# Altium PCB LOGI-BONE.PcbDoc (part 1 of 4) (continued)
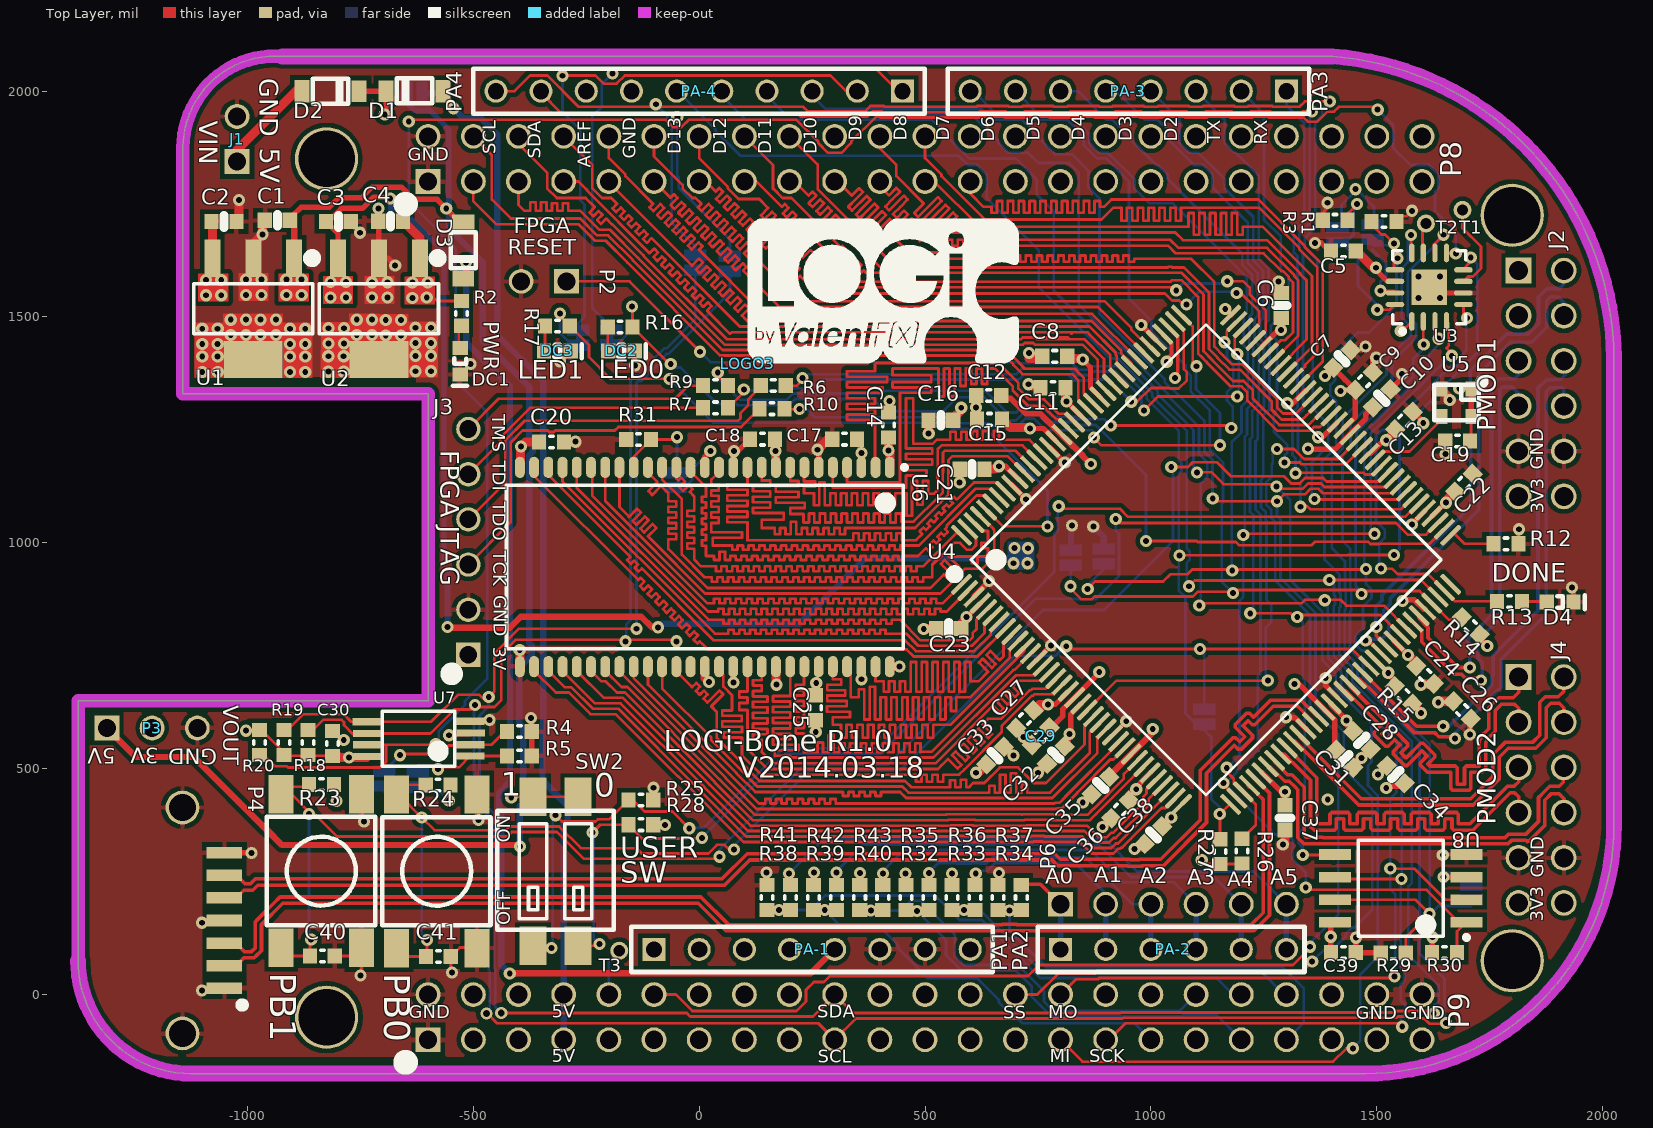
[diagram p0: Top Layer view]
## Footprints (in the part's own frame and the unit in brackets; to place one, negate y for a bottom-side part, rotate by r counter-clockwise, add the part's x,y. Pads: shape width x height; smd on the part's side, far side on the other; paste and mask are expansions set on the pad)
"ARDUINO DUE P1" [mil]
  rect 51x51 hole 36: A1(0,0)
  round 51 hole 36: A2(0,-100) A3(0,-200) A4(0,-300) A5(0,-400) A6(0,-500) A7(0,-600) A8(0,-700)
  silkscreen extent -50,-750 50,50, body extent -50,-1451 1950,400, height 327
"ARDUINO DUE P2" [mil]
  rect 51x51 hole 36: B1(0,0)
  round 51 hole 36: B2(0,-100) B3(0,-200) B4(0,-300) B5(0,-400) B6(0,-500)
  silkscreen extent -50,-540 50,50
"ARDUINO DUE P3" [mil]
  rect 51x51 hole 36: C1(0,0)
  round 51 hole 36: C2(0,100) C3(0,200) C4(0,300) C5(0,400) C6(0,500) C7(0,600) C8(0,700)
  silkscreen extent -50,-50 50,750
"ARDUINO DUE P4" [mil]
  rect 51x51 hole 36: D1(0,0)
  round 51 hole 36: D2(0,100) D3(0,200) D4(0,300) D5(0,400) D6(0,500) D7(0,600) D8(0,700) D9(0,800) D10(0,900)
  silkscreen extent -50,-50 50,950
"ASDMB - OSC" [mil] "oscillator ASDMB - osc footprint"
  rect 26x33 smd: 1(0,0) 2(64.96,0) 3(64.96,61.02) 4(0,61.02)
  silkscreen extent -26,-18 81,69, body extent -17,-9 81,69, height 30
Beaglebone-SSQ [mil] "Beaglebone-CAP-Plate"
  rect 55x55 hole 40: 1(0,0)
  round 55 hole 40: 2(0,100) 3(100,0) 4(100,100) 5(200,0) 6(200,100) 7(300,0) 8(300,100) 9(400,0) 10(400,100) 11(500,0) 12(500,100) 13(600,0) 14(600,100) 15(700,0) 16(700,100) 17(800,0) 18(800,100) 19(900,0) 20(900,100) 21(1000,0) 22(1000,100) 23(1100,0) 24(1100,100) 25(1200,0) 26(1200,100) 27(1300,0) 28(1300,100) 29(1400,0) 30(1400,100) 31(1500,0) 32(1500,100) 33(1600,0) 34(1600,100) 35(1700,0) 36(1700,100) 37(1800,0) 38(1800,100) 39(1900,0) 40(1900,100) 41(2000,0) 42(2000,100) 43(2100,0) 44(2100,100) 45(2200,0) 46(2200,100)
  silkscreen extent -52,-52 -48,-48, body extent -61,-46 2259,149, height 335
C0603 [mm] "0603 Generic"
  rect 0.8x0.85 smd: 1(-0.7,0) 2(0.7,0)
  silkscreen extent -0.1,-0.33 0.1,0.33, body extent -0.8,-0.42 0.82,0.4, height 0.46
"C0603 - MARKED" [mm] "0603 Generic"
  rect 0.8x0.85 smd: 1(-0.7,0) 2(0.7,0)
  silkscreen extent 0,-0.33 0,0.33, body extent -0.8,-0.42 0.82,0.4, height 0.46
"DIPSW - 219-2MST" [mil]
  rect 60x85 smd: A1(0,0) A2(100,0) B1(0,330) B2(100,330)
  silkscreen extent -79,35 179,299, body extent -68,-29 169,357, height 146
"EXP - PCA9534BS,118 - QFN65P400X400X100-16M" [mm] "QFN, 16-Leads, Body 4.1x4.1mm (max), Pitch 0.65mm, IPC Low Density"
  oval 1.05x0.3 smd: 1(-1.925,0.975) 2(-1.925,0.325) 3(-1.925,-0.325) 4(-1.925,-0.975) 9(1.925,-0.975) 10(1.925,-0.325) 11(1.925,0.325) 12(1.925,0.975)
  oval 0.3x1.05 smd: 5(-0.975,-1.925) 6(-0.325,-1.925) 7(0.325,-1.925) 8(0.975,-1.925) 13(0.975,1.925) 14(0.325,1.925) 15(-0.325,1.925) 16(-0.975,1.925)
  rect 2x2 smd: 6(0,0)
  silkscreen extent -2.61,-2.05 2.05,2.05, body extent -2.05,-2.05 2.05,2.05, height 1
FSM4JSMA [mil]
  rect 55x85 smd: A(-89,170) A(-89,-170) B(89,170) B(89,-170)
  silkscreen extent -119,-120 121,120, body extent -118,-198 118,196, height 200
"HEADER_2_40_100 THRU SIP" [mil]
  rect 55x55 hole 40: 1(0,0)
  round 55 hole 40: 2(100,0)
"HEADER_3_40_100 THRU SIP" [mil] "Sata Data header 67490-3220 - verified pin nums on datasheet 1=gnd 2=tx+"
  rect 55x55 hole 40: 1(0,0)
  round 55 hole 40: 2(100,0) 3(200,0)
"HEADER_6_40_100 THRU SIP" [mil]
  rect 55x55 hole 40: 1(0,0)
  round 55 hole 40: 2(100,0) 3(200,0) 4(300,0) 5(400,0) 6(500,0)
"JTAG - DIGILENT HS1 RA" [mil]
  rect 54x54 hole 39: 1(0,0)
  round 54 hole 39: 2(100,0) 3(200,0) 4(300,0) 5(400,0) 6(500,0)
  silkscreen extent -52,27 -32,47, body extent -50,-10 550,403, height 133
"LED_0603 - RED" [mm] "LED_0603"
  rect 0.8x0.85 smd: A(-0.75,0) C(0.75,0)
  silkscreen extent -0.18,-0.41 1.37,0.38, body extent -0.8,-0.4 0.8,0.4, height 0.75
LOGI-600-SILK [mil]
  silkscreen extent 0,2 600,321
LOGI-750-SILK-NB [mil]
  silkscreen extent 0,14 750,413
"PMOD HEADER - SSQ-106-02-G-D-RA" [mil]
  rect 57x57 hole 42: 1(0,0)
  round 57 hole 42: 2(100,0) 3(200,0) 4(300,0) 5(400,0) 6(500,0) 7(0,100) 8(100,100) 9(200,100) 10(300,100) 11(400,100) 12(500,100)
  body extent -59,-14 561,494, height 200
R0603 [mm] "0603 Generic"
  rect 0.8x0.85 smd: 1(-0.7,0) 2(0.7,0)
  silkscreen extent -0.1,-0.33 0.1,0.33, body extent -0.81,-0.41 0.81,0.41, height 0.46
"SATA - 67490-3220" [mm] "Sata Data header 67490-3220 - verified pin nums on datasheet 1=gnd 2=tx+"
  round 1.9 hole 1.5: 1(-10.16,-2.36) 1(2.54,-2.36)
  rect 0.65x2 smd: 1(0,0) 2(-1.27,0) 3(-2.54,0) 4(-3.81,0) 5(-5.08,0) 6(-6.35,0) 7(-7.62,0)
  silkscreen extent 0.81,0.86 1.07,1.12, body extent -12.9,-10.66 4.57,0.84, height 4
SOD-123 [mm] "SOD-123"
  rect 1.2x0.85 smd: 1(0,1.6)
  rect 1.27x0.85 smd: 2(0,-1.6)
  silkscreen extent -0.69,-1 0.71,1, body extent -0.8,-1.85 0.8,1.85, height 1.28
SOIC127P830X200-8L [mm] "SOIC, 8-Leads, Body 6.1x6.2mm (max), Pitch 1.27mm, IPC High Density"
  rect 1.8x0.6 smd: 1(-3.7,1.905) 2(-3.7,0.635) 3(-3.7,-0.635) 4(-3.7,-1.905) 5(3.7,-1.905) 6(3.7,-0.635) 7(3.7,0.635) 8(3.7,1.905)
  silkscreen extent -3.83,-2.72 2.4,2.88, body extent -4.2,-2.7 4.2,2.68, height 2.3
SOLDER_JUMPER#1 [mil]
  round 50 smd: 1(0,0) 2(58,0)
  Top Layer region: 32.93,24.98 57.93,24.98 57.93,-25.02 32.93,-25.02
  Top Layer region: -0.07,24.98 24.93,24.98 24.93,-25.02 -0.07,-25.02
SOLDER_JUMPER#2 [mil]
  round 50 smd: 1(0,0) 2(-58,0)
  Top Layer region: -32.91,-25.03 -57.91,-25.03 -57.91,24.97 -32.91,24.97
  Top Layer region: 0.09,-25.03 -24.91,-25.03 -24.91,24.97 0.09,24.97
SOLDER_JUMPER-NC [mil]
  round 50 smd: 1(0,0) 2(-58,0)
  Top Layer region: -32.91,-24.99 -57.91,-24.99 -57.91,25.01 -32.91,25.01
  Top Layer region: 0.09,-24.99 -24.91,-24.99 -24.91,25.01 0.09,25.01
  Top Layer lines w10: 0,0 -50,0
SOT223 [mm] "SOT223, 4-Leads, Body 6.7x7.3mm (max), Pitch 2.30mm, IPC High Density"
  rect 2.1x0.9 smd: 1(-2.85,2.3) 2(-2.85,0) 3(-2.85,-2.3)
  rect 2.1x3.3 smd: 4(2.85,0)
  silkscreen extent -2.97,-3.35 1.4,3.43, body extent -3.54,-3.35 3.76,3.35, height 1.75
"Tp 25-40" [mil]
  round 40 hole 25: 1(0,0)
TQ144_L [mm] "Thin QFP, 144-Leads, Body 20x20mm, Pitch 0.5mm, IPC High Density"
  rrect50% 1.5x0.25 smd: 1(-10.7,8.75) 2(-10.7,8.25) 3(-10.7,7.75) 4(-10.7,7.25) 5(-10.7,6.75) 6(-10.7,6.25) 7(-10.7,5.75) 8(-10.7,5.25) 9(-10.7,4.75) 10(-10.7,4.25) 11(-10.7,3.75) 12(-10.7,3.25) 13(-10.7,2.75) 14(-10.7,2.25) 15(-10.7,1.75) 16(-10.7,1.25) 17(-10.7,0.75) 18(-10.7,0.25) 19(-10.7,-0.25) 20(-10.7,-0.75) 21(-10.7,-1.25) 22(-10.7,-1.75) 23(-10.7,-2.25) 24(-10.7,-2.75) 25(-10.7,-3.25) 26(-10.7,-3.75) 27(-10.7,-4.25) 28(-10.7,-4.75) 29(-10.7,-5.25) 30(-10.7,-5.75) 31(-10.7,-6.25) 32(-10.7,-6.75) 33(-10.7,-7.25) 34(-10.7,-7.75) 35(-10.7,-8.25) 36(-10.7,-8.75) 73(10.7,-8.75) 74(10.7,-8.25) 75(10.7,-7.75) 76(10.7,-7.25) 77(10.7,-6.75) 78(10.7,-6.25) 79(10.7,-5.75) 80(10.7,-5.25) 81(10.7,-4.75) 82(10.7,-4.25) 83(10.7,-3.75) 84(10.7,-3.25) 85(10.7,-2.75) 86(10.7,-2.25) 87(10.7,-1.75) 88(10.7,-1.25) 89(10.7,-0.75) 90(10.7,-0.25) 91(10.7,0.25) 92(10.7,0.75) 93(10.7,1.25) 94(10.7,1.75) 95(10.7,2.25) 96(10.7,2.75) 97(10.7,3.25) 98(10.7,3.75) 99(10.7,4.25) 100(10.7,4.75) 101(10.7,5.25) 102(10.7,5.75) 103(10.7,6.25) 104(10.7,6.75) 105(10.7,7.25) 106(10.7,7.75) 107(10.7,8.25) 108(10.7,8.75)
  rrect50% 0.25x1.5 smd: 37(-8.75,-10.7) 38(-8.25,-10.7) 39(-7.75,-10.7) 40(-7.25,-10.7) 41(-6.75,-10.7) 42(-6.25,-10.7) 43(-5.75,-10.7) 44(-5.25,-10.7) 45(-4.75,-10.7) 46(-4.25,-10.7) 47(-3.75,-10.7) 48(-3.25,-10.7) 49(-2.75,-10.7) 50(-2.25,-10.7) 51(-1.75,-10.7) 52(-1.25,-10.7) 53(-0.75,-10.7) 54(-0.25,-10.7) 55(0.25,-10.7) 56(0.75,-10.7) 57(1.25,-10.7) 58(1.75,-10.7) 59(2.25,-10.7) 60(2.75,-10.7) 61(3.25,-10.7) 62(3.75,-10.7) 63(4.25,-10.7) 64(4.75,-10.7) 65(5.25,-10.7) 66(5.75,-10.7) 67(6.25,-10.7) 68(6.75,-10.7) 69(7.25,-10.7) 70(7.75,-10.7) 71(8.25,-10.7) 72(8.75,-10.7) 109(8.75,10.7) 110(8.25,10.7) 111(7.75,10.7) 112(7.25,10.7) 113(6.75,10.7) 114(6.25,10.7) 115(5.75,10.7) 116(5.25,10.7) 117(4.75,10.7) 118(4.25,10.7) 119(3.75,10.7) 120(3.25,10.7) 121(2.75,10.7) 122(2.25,10.7) 123(1.75,10.7) 124(1.25,10.7) 125(0.75,10.7) 126(0.25,10.7) 127(-0.25,10.7) 128(-0.75,10.7) 129(-1.25,10.7) 130(-1.75,10.7) 131(-2.25,10.7) 132(-2.75,10.7) 133(-3.25,10.7) 134(-3.75,10.7) 135(-4.25,10.7) 136(-4.75,10.7) 137(-5.25,10.7) 138(-5.75,10.7) 139(-6.25,10.7) 140(-6.75,10.7) 141(-7.25,10.7) 142(-7.75,10.7) 143(-8.25,10.7) 144(-8.75,10.7)
  silkscreen extent -10.7,-9.35 9.35,9.55, body extent -11.01,-11.01 11.02,11.02, height 1.6
TSOP2-54_L [mm] "SOP, 54-Leads, Body 22.2x10.16mm, Pitch 0.8mm, IPC High Density"
  oval 1.2x0.55 smd: 1(-5.6,10.4) 2(-5.6,9.6) 3(-5.6,8.8) 4(-5.6,8) 5(-5.6,7.2) 6(-5.6,6.4) 7(-5.6,5.6) 8(-5.6,4.8) 9(-5.6,4) 10(-5.6,3.2) 11(-5.6,2.4) 12(-5.6,1.6) 13(-5.6,0.8) 14(-5.6,0) 15(-5.6,-0.8) 16(-5.6,-1.6) 17(-5.6,-2.4) 18(-5.6,-3.2) 19(-5.6,-4) 20(-5.6,-4.8) 21(-5.6,-5.6) 22(-5.6,-6.4) 23(-5.6,-7.2) 24(-5.6,-8) 25(-5.6,-8.8) 26(-5.6,-9.6) 27(-5.6,-10.4) 28(5.6,-10.4) 29(5.6,-9.6) 30(5.6,-8.8) 31(5.6,-8) 32(5.6,-7.2) 33(5.6,-6.4) 34(5.6,-5.6) 35(5.6,-4.8) 36(5.6,-4) 37(5.6,-3.2) 38(5.6,-2.4) 39(5.6,-1.6) 40(5.6,-0.8) 41(5.6,0) 42(5.6,0.8) 43(5.6,1.6) 44(5.6,2.4) 45(5.6,3.2) 46(5.6,4) 47(5.6,4.8) 48(5.6,5.6) 49(5.6,6.4) 50(5.6,7.2) 51(5.6,8) 52(5.6,8.8) 53(5.6,9.6) 54(5.6,10.4)
  silkscreen extent -5.72,-11.15 4.6,11.35, body extent -5.74,-11.16 6.02,11.06, height 1.3
"TSSOP 8" [mil]
  rect 62.99x15.75 smd: 1(-114,38) 2(-114,13) 3(-115,-13) 4(-114,-39) 5(115,-38) 6(114,-12) 7(114,13) 8(113,39)
  silkscreen extent -80,-61 81,61, body extent -127,-59 129,59, height 45
VALENTFX_750-SolderMask [mil]

## Part data
C1 C2 C3 C4 C6 C7 C10 C16 C21 C23 C28 C31 C32 C33 C34 C35 C37 C38: library part "C0603 - GRM188R60J475KE19D", "4.7uF 6.3volts X5R 10% (MLCC) - SMD/SMT 0603"
C5 C14 C17 C18 C19 C20 C25 C30 C39 C40 C41: library part "C0603 - CL10F104ZA8NNNC", "CAP CER 0.1UF 25V Y5V 0603"
C8 C9 C11 C12 C13 C15 C22 C24 C26 C27 C29 C36: library part "C0603 - GCM188R71E474KA64D", ".47uF 25VDC X7R 10% SMD 0603 Paper T/R CERAMIC"
D1 D2 D3: "DIODE SCHOTTKY 25V 1A SOD123"
D4 DC1 DC2 DC3: library part "LED0603 - 598-8010-107F", "LED ALINGAP RED CLEAR 0603 SMD"
J1: library part Header2, "Header 2 pin"
J2 J4: library part "P-MOD - SSQ-106-02-G-D-RA", "SAMTEC - SSQ-106-02-G-D-RA-005 - 2MM SOCKET STRIPS"
J3: library part "JTAG - Digilent HS1", "DIGILENT - 410-205 - PROGRAMMING CABLE, JTAG HS1, USB2"
JP1 JP2 JP3 JP4 JP5 JP6 JP7 JP8 JP9 JP10 JP11 JP12 JP13 JP14: "Solder/Configuration Jumper"
P2: "Header 2 pin"
P3: "Header  pin"
P4: "SATA Data - 67490-1220"
P6: "Header 6 pin"
P8: library part Beagle_Bone_Black_P8-SSQ, "Beagle_Bone_Black_P8"
P9: library part Beagle_Bone_Black_P9-SSQ, "Beagle_Bone_Black_P9"
PA-1 PA-3: "CONN HEADER FEMALE 8POS .1\" GOLD"
PA-2: "CONN HEADER FEMALE 6POS .1\" GOLD"
PA-4: "CONN HEADER FMALE 10POS .1\" GOLD"
PB0 PB1: library part FSM4JSMATR, "SWITCH TACTILE SPST-NO 0.05A 12V"
R1 R3 R4 R5 R12 R14 R15 R18 R19 R20 R23 R24 R25 R26 R27 R28 R29 R30 R31 R32 R33 R34 R35 R36 R37 R38 R39 R40 R41 R42 R43: library part "R0603 - CRCW060310K0FKEA", "10k Thick Film Resistors - SMD 1/10watt 10Kohms 1%"
R2 R6 R7 R9 R10 R13 R16 R17: library part "R0603 - ERJ-3GEYJ331V", "Thick Film Resistors - SMD 0603 330ohms 5% Tol"
SW2: library part "DIPSW - 219-2MST", "DIP Switches / SIP Switches SPST 2 switch sections"
T1 T2 T3: library part "Test Point 2", "Test Point Smaller Symbol"
U1: library part "REG - MCP1826S-3302E/DB", "LDO REG 1A 3.3V SOT223-3"
U2: "IC LDO REG 1A 1.2V SOT223-3"
U3: library part "EXP - PCA9534BS,118", "I/O Expanders, Repeaters & Hubs 8BIT I2C/SMBUS I/O"
U4: library part "FPGA - XC6SLX9-2TQG144C", "IC FPAG SPARTAN 6 9K 144TQFP"
U5: "OSC MEMS 50.000 MHZ SMD"
U6: "256Mb Synchronous High-Speed CMOS DRAM, 16Mb x 16Bit x 4 Banks, 54-Pin TSOP Pb-free, Commercial"
U7: library part "EEPROM - CAT24C256YI-G", "IC EEPROM 256KBIT 400KHZ 8TSSOP"
U8: library part M25PE16-VMW6TG, "IC FLASH 16MBIT 75MHZ 8SOIC"

## Free pads (board coordinates)
  round 140 hole 125: x(-825,-50) x(-825,1850) x(1800,75) x(1800,1725)

## Via types
v1: diameter 27, hole 13, Top Layer to Bottom Layer, tented both sides, 194 vias
v2: diameter 27, hole 13, Top Layer to Bottom Layer, 158 vias
v3: diameter 25.98, hole 12.99, Top Layer to Bottom Layer, tented both sides, 4 vias
v4: diameter 27, hole 15, Top Layer to Bottom Layer, tented both sides, 2 vias

## Nets (pads, with @x,y where several pads share a name; then routed paths per layer and width w, separated by ;. In a path a pad name is that pad's centre, name@x,y a point inside that pad or via, vN(x,y) a via of type N, cw(c..) or ccw(c..) an arc to the next point about the centre after c; other vN are vias at no path point)
1V2: C3.1 C10.1 C12.1 C29.1 C31.1 C35.1 U2.3 U4.19 U4.28 U4.52 U4.89 U4.128 | length 3738.4
  Top Layer w12: U2.3@-799.55,1621 -799.55,1684.78 C3.1@-826.34,1711.56 -820.67,1711.56 -791.94,1740.29 -745.67,1740.29 -720.56,1765.4 -687.4,1765.4 v2(-684,1762) ; C12.1@665.91,1320 689.91,1320 723.45,1286.46 ; 688.79,1320 722.89,1285.9 756.1,1285.9 812,1230 809.82,1230 761.32,1278.5 ; C29.1@775,586 804.69,615.69 804.69,631.19 886.5,713 v1@887,713 ; v2(1317.9,687.48) 1327.58,687.48 U4.52@1385.2,629.87 1406.62,608.45 1406.62,544.38 C31.1@1407.51,543.49 ; v1@1342.7,1206.3 v1@1346.2,1209.8 ; v1@1349.8,1210.13 1348.46,1211.47 1347.88,1211.47 v1@1346.2,1209.8 ; U4.89@1440.11,1240.3 1440.43,1240.62 1440.71,1240.62 1475.63,1275.55 1475.63,1284.9 C10.1@1491.41,1300.67 ; U4.89@1440.88,1239.54 1439.63,1239.54 1407.09,1207 1349.33,1207 v1(1348,1208.33) 1347.67,1208.33 v1@1346.2,1209.8
  Top Layer w14: v2(-557,814) -555,812 -419.48,812 -394.98,836.5 -128.02,836.5 -104.52,813 v2(-91,813) ; U4.128@812,1230 849.45,1193.45 849.45,1191.97 v1(867,1174.42) ; C35.1@905,480 905,480.95 1005.63,581.58 1005.63,586.37 v1(1004,588)
  Bottom Layer w12: v2@-682.5,1761.5 -682.5,1730.9 -667.56,1715.96 -636.96,1715.96 -565,1644 -565,941
  Bottom Layer w14: -565,941 -557,933 v2(-557,814) ; v2(-91,813) -83,821 222,821 367.25,966.25 709.87,966.25
  Bottom Layer w20: 709.87,966.25 714.62,971 ; v1@727,987 v1(728,988) v1@727.22,988.78
  other v1: 885.63,713.81 696,955 727,955 698,988.78 -816,1543.27 -782,1543.27 -816,1577.27 -782,1577.27
3V3: C2.1 C4.1 C5.1 C6.1 C7.1 C8.1 C9.1 C11.1 C13.1 C14.1 C15.1 C16.1 C17.1 C18.1 C19.1 C20.1 C21.1 C22.1 C23.1 C24.1 C25.1 C26.1 C27.1 C28.1 C30.1 C32.1 C33.1 C34.1 C36.1 C37.1 C38.1 C39.1 J2.6 J2.12 J3.1 J4.6 J4.12 JP1.2 JP2.2 JP6.1 JP7.1 JP13.2 JP14.2 P3.2 PA-1.A2 PA-1.A4 R2.1 R14.1 R15.1 R18.2 R19.2 R20.2 R23.1 R24.1 R26.2 R27.2 R30.2 SW2.B1 SW2.B2 U1.3 U2.1 U3.1 U3.14 U4.4 U4.18 U4.20 U4.31 U4.36 U4.42 U4.53 U4.63 U4.76 U4.86 U4.90 U4.103 U4.122 U4.125 U4.129 U4.135 U5.1 U5.4 U6.1 U6.3 U6.9 U6.14 U6.27 U6.43 U6.49 U7.3 U7.8 U8.3 U8.8 | length 4137.4
  Top Layer w6: v1(-1003,584.23) -1001.61,585.62 -969,585.62 -919,535.62 R19.2@-919,530.5 ; R19.2@-919,530.44 -917,528.44 C30.1@-812,528.44 ; v1(-803.15,428.32) -802.59,428.88 R23.1@-802.59,460.28 ; -604,1559 -580.56,1535.56 R2.1@-532,1535.56 ; R24.1@-554.84,464.38 -554.84,429.82 v1(-554.4,429.38) ; v1(-554,574) -511,574 U7.3@-506,579 ; v1(-416,436) -414,438 SW2.B1@-367.87,438 SW2.B2@-267.87,438 -266,438 SW2.B2@-265,439 ; v1@589.57,835.49 v1@589.63,835.55 ; C32.1@806,548 820,562 820,575.56 v1(820,577) ; v2(1112.5,298) 1121.56,288.94 R27.2@1153,288.94 1200.34,288.94 R26.2@1201.35,289.94 ; v2(1553,1469) 1556.4,1469 U3.1@1577.61,1490.21 ; C19.1@1706.56,1225.62 1709,1228.06 U5.4@1709,1280.01
  Top Layer w11: C17.1@355.56,1229.44 355.56,1202.44 v1(359,1199) 359,1167.09 U6.3@358.93,1167.02 ; C15.1@663.94,1273.55 C15.1@670.31,1273.55 ; v1(732,1253) 762.07,1253 U4.129@789.45,1225.62 ; C11.1@813.56,1343.17 C11.1@813.56,1344 ; v1(849,1406) 865.96,1389.04 865.96,1344.04 U4.122@886.88,1323.06 U4.122@886.88,1323.06
  Top Layer w12: U6.14@12.47,1167.02 12.47,1191.21 v1(24.68,1203.42) ; U6.43@75.46,726.08 75.46,691.47 v1(76,690.93) ; C25.1@257.81,662.56 260,664.74 v1@260,690 ; C23.1@577.63,823.55 589.63,835.55 v1(591.47,835.55) U4.4@622.41,866.5 ; v1@663.25,1168.75 v1(663.99,1169.5) 678.54,1169.5 U4.135@705.93,1142.1 ; C27.1@748.12,621.52 748.12,622.03 768.63,642.55 788.21,642.55 U4.18@817.29,671.63 ; v1@813,1314 v1(813,1313) 813.42,1313 U4.125@845.13,1281.3 ; v1@820,575.56 822.69,578.25 822.69,620.69 845.13,643.13 U4.20@845.13,643.79 ; v1(967.59,454.68) 967.59,460.02 U4.31@991.01,483.44 ; U4.42@1246,490.67 1247.08,490.68 v1@1288.21,449.55 ; U4.103@1246,1434.41 1281.59,1470 v1@1286.81,1470 ; v1@1286.81,1471 1286.81,1496.17 C6.1@1288.63,1497.99 ; v1@1295,450.38 1297,448.38 v1@1297,445.38 ; v1@1296.21,449.93 1296.63,449.93 v1(1296.63,448.93) ; v2(1385.2,1369.18) C7.1@1403.51,1387.49 ; C39.1@1398.44,93 1398.44,127.56 v2(1398,128) 1398,151.67 U8.8@1406.33,160 ; U4.53@1399.12,643.79 1399.12,641.41 1433,607.52 v2(1433,607) 1433,597 C28.1@1447.51,582.49 ; C7.1@1403.51,1388 C7.1@1403.51,1387.49 ; v2(1419.75,1336) 1422.26,1338.51 C9.1@1452.51,1338.51 ; U4.90@1426.96,1253.46 1452.51,1279.01 C9.1@1452.51,1332.49 ; C9.1@1455.77,1335.75 C9.1@1452.51,1332.49 ; U4.86@1482.64,1197.78 1486.54,1197.78 1516.05,1227.29 v2(1521,1227.29) ; v1@1491,1604.13 v1@1491,1608 ; v1@1498,1604.51 1523.72,1578.8 U3.14@1538.21,1578.8 ; v2(1503,487.32) C34.1@1522.51,506.81 ; U4.63@1538.31,782.98 v1(1569.3,752) ; C24.1@1587.63,727.03 C24.1@1597.97,727.03 ; U4.76@1621.83,1058.59 1621.83,1058.74 v1@1653.04,1089.96 ; R30.2@1622.44,93 1622.44,126.19 v2(1623.25,127) ; v2(1647.82,260) U8.3@1697.67,260 ; v2(1682.54,1341.68) 1683.18,1341.04 U5.1@1709,1341.04 U5.4@1709,1280.01 ; R14.1@1720.49,790.51 1725.65,790.51 v1(1744.66,771.5) ; U4.31@991.01,483.44 U4.31@998.24,490.67 U4.31@991.01,483.44 ; C7.1@1403.51,1387.49 1403.51,1387.35 1429.36,1361.5 1429.53,1361.5 C9.1@1452.51,1338.51 ; C9.1@1452.51,1332.49 C9.1@1452.51,1338.51
  Top Layer w20: U1.3@-1077.55,1630.27 -1077.55,1708.07 C2.1@-1073.56,1712.07 ; C30.1@-802,530.6 -796.4,525 v1(-775,525) U7.8@-736,525 ; v2(-657,1741.46) -655.44,1739.9 C4.1@-655.44,1712.07 -618.45,1675.07 U2.1@-618.45,1630.27 ; U6.27@-396.98,1167.02 -396,1168 -396,1211.61 v1(-394.61,1213) -384.61,1223 C20.1@-354.56,1223 ; C18.1@168.82,1234.21 v1(168.82,1203.61) 168.82,1168.15 U6.9@169.95,1167.02 ; C25.1@257.81,662.56 257.81,688.81 v1(259,690) ; C14.1@418.98,1234.21 v1(418.98,1204.77) 421.92,1201.83 U6.1@421.92,1167.02 ; C16.1@562.56,1276.56 580,1294 v1(580,1299) ; C21.1@631.76,1163 655,1163 v1@662,1170 ; C15.1@670.31,1273.55 688.86,1255 v1@734,1255 ; C33.1@674.76,549.55 694,530.31 v1@694,530 ; C27.1@740.49,629.49 753,642 v2(772,642) ; C11.1@810.74,1343.37 810.74,1316.26 v1@813,1314 ; C8.1@814.56,1413 819.56,1408 v1@850,1408 ; C36.1@951.49,429.49 951.49,438.58 v1(967.59,454.68) ; C38.1@1028.12,366.04 1028.12,374.12 1045,391 v1(1045,392) ; v1@1288,1468 1288.63,1468.63 v1@1288.63,1471 ; v1(1288,1471) 1288.63,1471.63 C6.1@1288.63,1497.99 ; C37.1@1297,418.94 v1@1297,445.38 ; C5.1@1453.56,1646 1455.79,1646 1493.79,1608 v1@1499,1608 ; v2(1521,1227.29) 1540.91,1247.2 C13.1@1540.91,1251.18 ; v1(1569.3,752) C24.1@1587.63,733.66 ; R15.1@1578.49,643.51 1598,624 v1(1598,623) ; v1(1636,647) 1638.35,649.35 C26.1@1669.51,649.36 ; v1@1655,1088 1655,1095 C22.1@1673.51,1113.51
  Bottom Layer w6: JP13.2@-697,449 -624,449 JP14.2@-623,448 -573.02,448 v1(-554.4,429.38) ; JP7.1@-50,1110 -45.2,1110 -15.99,1139.21 -15.99,1162.75 v1(24.68,1203.42) ; JP2.2@1422,1718.93 1422,1747.82 v1@1453,1778.82 ; v1(1453,1783) 1454.82,1783 1494,1743.82 JP1.2@1494,1723.5
  Bottom Layer w12: v2@1646.19,259 1653.19,266 JP6.1@1727,266
  other v1: 696,529 1653,1089 -635,1542.07 -603,1543 -1092,1548.07 -1058,1548.07 -635,1576.07 -601,1576.07 -1092,1582.07 -1058,1582.07 1498,1609
+5V_BB: D1.2 JP8.1 P9.7 P9.8 | length 2300.5
  Top Layer w14: D1.2@-567.37,2000 -567.37,1989.5 -544,1966.13 v2(-544,1962) ; P9.8@-300,0 P9.8@-297.85,0
  Bottom Layer w14: JP8.1@-601,1995 -572.87,1995 -552.94,1975.06 ; v2(-544,1962) -522.5,1940.5 -483.22,1940.5 -447,1904.28 -447,1460 -345.5,1358.5 -345.5,601.02 -347,599.52 -347,474 -291.5,418.5 -291.5,386.02 -300,377.52 P9.8@-300,0 P9.7@-300,-100
ADDR0: JP14.1 R5.2 U7.1 | length 217.8
  Top Layer w6: v2(-578.49,498.82) -578.49,502.51 -578,503 -532,503 U7.1@-507,528 R5.2@-425.56,528
  Bottom Layer w6: JP14.1@-623,506 -581,506 -578,503 -578.49,502.51 v2(-578.49,498.82)
ADDR1: JP13.1 R4.2 U7.2 | length 302.5
  Top Layer w6: v2(-662,530) -659.5,532.5 -573.68,532.5 -554.68,551.5 -508.5,551.5 U7.2@-507,553 -460,553 -431,582 R4.2@-425.56,582
  Bottom Layer w6: JP13.1@-697,507 -685,507 v2(-662,530)
AN0: P9.39 R34.1 R37.2 | length 904.7
  Top Layer w6: v2(687,186) 688.44,187.44 R34.1@713,187.44
  Bottom Layer w6: v2(687,186) 687,141.81 768.31,60.5 1291.12,60.5 1338.5,13.12 1338.5,-61.5 P9.39@1300,-100
AN1: P9.40 R33.1 R36.2 | length 817.9
  Top Layer w6: R36.2@559.73,187.44 v2(586,187.44)
  Bottom Layer w6: v2(586,187.44) 621.24,187.44 760.18,48.5 1246.5,48.5 1295,0 P9.40@1300,0
AN2: P9.37 R32.1 R35.2 | length 899.2
  Top Layer w6: v2(481.93,185) 484.37,187.44 R32.1@508.64,187.44
  Bottom Layer w6: v2(481.93,185) 546.5,120.43 546.5,87.74 580.74,53.5 700.59,53.5 736.5,17.59 736.5,-5.09 779.91,-48.5 1068.47,-48.5 1071.97,-45 1145,-45 P9.37@1200,-100
AN3: P9.38 R38.1 R41.2 | length 1152.3
  Top Layer w6: v2(177,187.44) R38.1@202.09,187.44
  Bottom Layer w6: v2(177,187.44) 246.62,187.44 278.68,219.5 522.12,219.5 576.68,164.94 626.3,164.94 754.74,36.5 1145,36.5 1181.5,0 P9.38@1200,0
AN4: P9.33 R39.1 R42.2 | length 875
  Top Layer w6: v2(278,187) 278.44,187.44 R39.1@304.27,187.44
  Bottom Layer w6: v2(278,187) 314.32,150.68 399,150.68 440,109.68 440,102.5 506,36.5 615.12,36.5 663.5,-11.88 663.5,-17.8 682.2,-36.5 688.5,-36.5 715.5,-63.5 963.5,-63.5 P9.33@1000,-100
AN5: P9.36 R40.1 R43.2 | length 913.3
  Top Layer w6: v2(380,186) 381.44,187.44 R40.1@406.45,187.44
  Bottom Layer w6: v2(380,186) 446,186 467.5,207.5 491.25,207.5 565.5,133.25 565.5,85.71 585.71,65.5 705.56,65.5 763.5,7.56 763.5,-15.12 784.88,-36.5 1063.5,-36.5 P9.36@1100,0
ARD_D0: PA-3.C1 U4.84 | length 1097.7
  Top Layer w6: v2@1320.5,1153.5 1315.5,1148.5 1315,1149 v2(1320,1154) 1321.5,1155.5 1470.43,1155.5 1474.41,1151.52 1492.05,1151.52 U4.84@1510.47,1169.94
  Bottom Layer w6: PA-3.C1@1300,2000 1300,1968.59 1339.5,1929.09 1339.5,1711.59 1316.5,1688.59 1316.5,1642.76 1324.5,1634.76 1324.5,1299.68 1313.5,1288.68 1313.5,1194.04 1320,1187.54 v2(1320,1154)
ARD_D2: PA-3.C3 U4.21 | length 1829
  Top Layer w6: U4.21@859.05,629.87 924.18,695 v2(1258.85,695)
  Bottom Layer w6: PA-3.C3@1100,2000 1163.5,1936.5 1163.5,1884.88 1184.88,1863.5 1188.12,1863.5 1238.5,1813.12 1238.5,1629.62 1260.32,1607.8 1260.32,1569.54 1260.32,1492.29 1253.5,1485.48 1253.5,1456.71 1262.5,1447.71 1262.5,1295.8 1248.5,1281.8 1248.5,1144.29 1243.5,1139.29 1243.5,1078.71 1254.5,1067.71 1254.5,1050.23 1256,1048.73 1256,873.76 1266.5,863.26 1266.5,824.74 1254.5,812.74 v2@1254.5,695
ARD_MOSI/CFG_INITB: PA-3.C6 R26.1 U3.4 U4.39 | length 2777
  Top Layer w6: v2(1168,502) 1168,493.14 1183.32,477.82 1183.32,469.84 U4.39@1198.08,455.08 ; R26.1@1201.35,345.06 1232.09,375.8 1232.09,421.08 U4.39@1204.25,448.92 ; v2(1204.5,1017.5) 1207,1020 v2(1495,1020) ; U3.4@1654.39,1490.21 1659.5,1485.1 1659.5,1436.68 1654.39,1431.57 1654.39,1430.97 1666,1419.35 v1(1666,1414)
  Bottom Layer w6: PA-3.C6@800,2000 838.5,2000 902,1936.5 915.12,1936.5 936.5,1915.12 936.5,1911.88 1011.88,1836.5 1015.12,1836.5 1036.5,1815.12 1036.5,1806 1202.5,1640 1202.5,1614.71 1224.32,1592.89 1224.32,1554.62 1224.32,1507.2 1217.5,1500.39 1217.5,1441.8 1226.5,1432.8 1226.5,1310.71 1212.5,1296.71 1212.5,1239.71 1207.5,1234.71 1207.5,1020.5 v2(1204.5,1017.5) 1204.5,879.68 1196.23,871.41 1196.23,530.23 v2(1168,502) ; v2(1495,1020) 1486.5,1028.5 1486.5,1241.58 1506.71,1261.79 1509.55,1261.79 1661.76,1414 v1(1666,1414)
ARD_RX/CFG_MODE1: JP3.1 PA-3.C7 R15.2 U3.3 U4.60 | length 3037.7
  Top Layer w6: v1(860,897.97) 876.53,914.5 1027.1,914.5 1043.1,930.5 1081,930.5 1091.5,941 v1@1167,941 ; v1@1179,941 v2@1475,941 ; v1(1525.47,712.3) 1525.47,705.53 R15.2@1539.51,691.49 ; v1@1525.59,712.41 1539.51,698.49 R15.2@1539.51,691.49 ; R15.2@1539.51,682.49 R15.2@1539.51,691.49 ; R15.2@1544,687 R15.2@1539.51,691.49 ; U3.3@1628.8,1490.21 1628.8,1460.2 v2(1637,1452)
  Bottom Layer w6: PA-3.C7@700,2000 751.5,1948.5 820.09,1948.5 863.5,1905.09 863.5,1884.88 884.88,1863.5 905.09,1863.5 963.5,1805.09 963.5,1784.88 996.88,1751.5 1048.74,1751.5 1212.32,1587.92 1212.32,1549.65 1212.32,1512.17 1205.5,1505.36 1205.5,1436.83 1214.5,1427.83 1214.5,1315.68 1200.5,1301.68 1200.5,1244.68 1179,1223.18 v1@1179,934 ; v1(860,897.97) 860,905.61 JP3.1@895.5,941.11 ; v1(1525.47,712.3) 1476.21,761.56 1466.07,761.56 1452.89,774.74 1452.89,793.38 1469.5,809.99 1469.5,858.68 1488.5,877.68 1488.5,896.32 1476,908.82 v2(1476,942) 1472.5,945.5 1472.5,1204.41 1474.5,1206.41 1474.5,1246.55 1567.45,1339.5 1570.29,1339.5 1616,1385.21 1616,1418 1637,1439 v2(1637,1452)
  other v1: 1180,939
ARD_SCL: JP10.2 PA-4.D10 U4.80 | length 3445.8
  Top Layer w6: PA-4.D10@-460,2000 -408.79,2000 -374.29,2034.5 -335.71,2034.5 -266.71,1965.5 -101.5,1965.5 v2(-96,1971) ; v2@-96,1965.5 230.03,1965.5 240.53,1955 367,1955 379,1967 409.27,1967 410.77,1965.5 614.29,1965.5 615.79,1967 684.21,1967 685.71,1965.5 714.29,1965.5 715.79,1967 784.21,1967 785.71,1965.5 814.29,1965.5 815.79,1967 884.21,1967 885.71,1965.5 914.29,1965.5 915.79,1967 984.21,1967 985.71,1965.5 1014.29,1965.5 1015.79,1967 1084.21,1967 1085.71,1965.5 1114.29,1965.5 1115.79,1967 1184.21,1967 1185.71,1965.5 1214.29,1965.5 1215.79,1967 1269.27,1967 1270.77,1965.5 1329.23,1965.5 1341.23,1977.5 1395.5,1977.5 v1(1396,1977) ; v2(1362,1097) 1363.16,1095.84 1547.73,1095.84 U4.80@1566.15,1114.26
  Bottom Layer w6: v2(-96,1971) -70.88,1945.88 -70.88,1933.68 -61,1923.8 -61,1709.38 -9,1657.38 JP10.2@-9,1649 ; v2(1362,1097) 1356.18,1102.82 1356.18,1141.39 1356.5,1141.71 1356.5,1170.29 1356.18,1170.61 1356.18,1178.36 1392.5,1214.68 1392.5,1263.29 1358.54,1297.25 1358.54,1419.24 1368.5,1429.2 1368.5,1626.68 1340.5,1654.68 1340.5,1673.32 1363.5,1696.32 1363.5,1930.18 1379,1945.68 1379,1960 v1(1396,1977)
ARD_SDA: JP11.2 PA-4.D9 U4.79 | length 3264.1
  Top Layer w6: PA-4.D9@-360,2000 -354.02,2000 -302.52,1948.5 220.09,1948.5 225.59,1943 371.97,1943 383.97,1955 404.3,1955 405.8,1953.5 619.26,1953.5 620.76,1955 679.24,1955 680.74,1953.5 719.26,1953.5 720.76,1955 779.24,1955 780.74,1953.5 819.26,1953.5 820.76,1955 879.24,1955 880.74,1953.5 919.26,1953.5 920.76,1955 979.24,1955 980.74,1953.5 1019.26,1953.5 1020.76,1955 1079.24,1955 1080.74,1953.5 1119.26,1953.5 1120.76,1955 1179.24,1955 1180.74,1953.5 1219.26,1953.5 1220.76,1955 1264.3,1955 1265.8,1953.5 1334.2,1953.5 1335.7,1955 1341.65,1955 ; v2(1331,1080) 1331,1080.68 1332.24,1081.93 1345.26,1081.93 1352.68,1074.5 1554.23,1074.5 U4.79@1580.07,1100.35
  Bottom Layer w6: v1@-54.88,1936.5 v1(-48.38,1943) -48.38,1809 ; -45,1809 -45,1784.99 68,1671.99 JP11.2@68,1647 ; v2(1331,1080) 1331,1133.18 1344.5,1146.68 1344.5,1165.32 1332,1177.82 1332,1192.51 1325.5,1199.01 1325.5,1283.71 1336.5,1294.71 1336.5,1641.71 1328.5,1649.71 1328.5,1683.62 1351.5,1706.62 1351.5,1950 v1(1356.5,1955)
ARD_TX/CFG_MODE0: JP4.1 PA-3.C8 R14.2 U3.2 U4.69 | length 3082.5
  Top Layer w6: v1@822.32,898.68 845.53,875.47 869.32,875.47 875.12,881.27 1093.09,881.27 1103.82,892 v1@1185,892 ; v1(1182,889) v1@1185,892 ; U3.2@1603.2,1490.21 1603.2,1440.8 1604,1440 v2(1604,1439) ; R14.2@1681.51,829.49 1660.27,829.49 1623.25,866.5 U4.69@1621.83,866.5 1594.83,893.5 1472.5,893.5 v2(1466,887) 1457.5,895.5 1188.5,895.5 v1@1185,892
  Bottom Layer w6: PA-3.C8@600,2000 606.94,2000 658.44,1948.5 720.09,1948.5 732.09,1936.5 815.12,1936.5 851.5,1900.12 851.5,1879.91 879.91,1851.5 900.12,1851.5 951.5,1800.12 951.5,1541.03 1001.21,1491.32 1001.21,1468.29 1076.56,1392.94 1076.56,1381.63 1088,1370.18 1088,1335.26 1130.5,1292.76 1130.5,1206.68 1159.5,1177.68 1159.5,1088.68 1156.5,1085.68 1156.5,914.5 v1(1182,889) ; v1@822.32,898.68 822.32,937.6 JP4.1@823,938.28 ; v2(1466,887) 1466,891.7 1453.5,904.2 1453.5,999.26 1452.76,1000 1452.76,1203.46 1455,1205.7 1455,1244.02 1562.48,1351.5 1565.32,1351.5 1580.5,1366.68 1580.5,1407.32 1604,1430.82 v2(1604,1439)
  other v1: 822.32,904
BB_CFG_SCL: JP10.1 P9.19 R18.1 U3.12 U7.6 | length 6724.2
  Top Layer w6: R18.1@-866,585.72 -855.05,585.72 -832.46,608.31 -791.54,608.31 -786.27,603.03 -786.27,596.32 -766.95,577 -736,577 U7.6@-735,578 -595,578 -542,631 -506,631 v1(-496,641) -491.5,636.5 -453.5,636.5 -438,652 -438,753 -419.87,771.13 -419.87,772.02 -406.69,785.2 -53.2,785.2 v2(-50,782) ; v4(-471,-42) -468.82,-42 -447.32,-63.5 263.5,-63.5 P9.19@300,-100 347,-53 937.03,-53 938.53,-51.5 1544.08,-51.5 1547.08,-48.5 1565.72,-48.5 1570.22,-53 1604.62,-53 1616.12,-64.5 1651.5,-64.5 v2(1653,-63) ; U3.12@1575.61,1641.79 v1(1575.61,1681.39)
  Bottom Layer w6: v1(-496,641) -498.5,638.5 -498.5,420.3 -487.08,408.88 -479.08,408.88 -465.9,395.7 -465.9,53.8 -463.5,51.4 v4@-463.5,-32.31 ; v2(-163,782) -161.5,783.5 -161.5,819.32 -152,828.82 -152,1359 -140.5,1370.5 -132.68,1370.5 -97.5,1405.68 -97.5,1410.29 -77.29,1430.5 -72.68,1430.5 -9,1494.18 JP10.1@-9,1591 ; v1@1574,1683 1568.5,1677.5 1568.5,1620.68 1555.5,1607.68 1555.5,1498.32 1575.5,1478.32 1575.5,1459.68 1521.5,1405.68 1521.5,1372.47 1425,1275.97 1425,1209.64 1400.5,1185.14 1400.5,988 1429.5,959 1429.5,894.26 1431.5,892.26 1431.5,853.74 1428.89,851.13 1428.89,758.62 1457.4,730.11 1457.4,697.75 1594.5,560.65 1594.5,90.5 1650,35 1650,-60 v2(1653,-63)
BB_CFG_SDA: JP11.1 P9.20 R19.1 U3.13 U7.5 | length 6551.2
  Top Layer w6: R19.1@-919,585.62 -911.37,585.56 -876.62,620.31 -786.57,620.31 -770.26,604 U7.5@-736,604 -593.24,604 -533.74,663.5 -486.68,663.5 -479.68,656.5 ; v1(-466,659) -453.5,671.5 -453.5,755.36 -398.85,810 v2(-139,810) ; v4(-438,-41) -27.59,-41 -20.09,-48.5 251.5,-48.5 P9.20@300,0 341,-41 932.06,-41 933.56,-39.5 1539.11,-39.5 1542.11,-36.5 1620.5,-36.5 v2(1626,-42) ; U3.13@1538.21,1604.39 1538.21,1622.21 v1(1546,1630)
  Bottom Layer w6: v1(-466,659) -466.5,658.5 -466.5,637.32 -486.5,617.32 -486.5,433.27 -453.9,400.67 -453.9,58.77 -451.5,56.37 -451.5,-27.5 v4(-438,-41) ; v2(-139,810) -139,1354.65 -135.15,1358.5 -127.71,1358.5 -85.5,1400.71 -85.5,1405.32 -72.32,1418.5 -67.71,1418.5 68,1554.21 JP11.1@68,1589 ; v1(1546,1630) 1543.5,1627.5 1543.5,1526.68 1482.32,1465.5 1457.68,1465.5 1406.86,1414.68 1406.86,1379.34 1407.7,1378.5 1407.7,1359.86 1397.25,1349.41 1397.25,1326.68 1410.5,1313.43 1410.5,1212.11 1378.68,1180.29 1378.68,1112.14 1384.5,1106.32 1384.5,962.7 1417.5,929.7 1417.5,889.29 1419.5,887.29 1419.5,858.71 1416.89,856.1 1416.89,753.65 1445.4,725.14 1445.4,692.78 1577.5,560.68 1577.5,246.68 1570,239.18 1570,87.98 1636.5,21.48 1636.5,-15.12 1626,-25.62 v2(1626,-42)
BB_SPI_MISO: P9.29 PA-4.D5 U4.82 | length 4101.7
  Top Layer w6: P9.29@800,-100 848.5,-148.5 1403.12,-148.5 1432.62,-119 v2(1447,-119) ; v2(1102,1156) 1102.06,1156.06 1134.76,1156.06 1160.82,1130 v2@1278,1130 ; v2(1278,1125) 1283.5,1119.5 1335.71,1119.5 1347.71,1131.5 1376.29,1131.5 1384.11,1123.68 1519.89,1123.68 U4.82@1538.31,1142.1
  Bottom Layer w6: PA-4.D5@40,2000 103.5,1936.5 515.12,1936.5 536.5,1915.12 536.5,1911.88 597.38,1851 701,1851 747,1805 747,1771.77 784.88,1733.89 784.88,1558.17 923.05,1420 931.73,1420 1015,1336.73 1015,1328.76 1017.44,1326.32 1017.62,1326.32 1094.5,1249.44 1094.5,1163.5 v2(1102,1156) ; v2(1278,1125) 1308.5,1094.5 1308.5,917.68 1379.5,846.68 1379.5,740.13 1409.4,710.23 1409.4,677.86 1488.5,598.77 1488.5,514.68 1480.5,506.68 1480.5,462.48 1502,440.98 1502,83.53 1463.5,45.03 1463.5,-101.5 1447,-118 v2(1447,-119)
BB_SPI_MOSI/CFG_DIN: P9.30 PA-4.D4 U4.65 U8.2 | length 4210.7
  Top Layer w6: P9.30@800,0 834,34 882.38,34 884.88,36.5 1535.5,36.5 v2(1539,40) ; v1(1107,861) 1112.5,866.5 1334,866.5 1341.26,873.76 1384.24,873.76 v2(1385,873) 1386,874 1419.5,874 1432.5,861 1515.97,861 U4.65@1566.15,810.82 ; v2(1530,279) 1530.5,278.5 1583.28,278.5 1651.78,210 U8.2@1697.67,210
  Bottom Layer w6: PA-4.D4@140,2000 191.5,1948.5 603.12,1948.5 663.5,1888.12 663.5,1884.88 684.88,1863.5 728.5,1863.5 751,1841 819,1841 840,1820 840,1527.21 935.21,1432 936.7,1432 1027,1341.7 1027,1340.21 1037.71,1329.5 1037.71,1324.85 1106.5,1256.06 1106.5,1196.74 1124.5,1178.74 1124.5,1145.32 1110.5,1131.32 1110.5,864.5 v1(1107,861) ; v2@1391.5,873 1391.5,835.41 1392.89,834.02 1392.89,743.71 1421.4,715.2 1421.4,682.83 1543.5,560.74 1543.5,447.68 1530,434.18 v2(1530,279) 1530,233 1541,222 v2@1541,40
BB_SPI_SCK/CFG_CCLK: P9.31 PA-4.D6 U4.70 U8.6 | length 4360.6
  Top Layer w6: P9.31@900,-100 907,-100 943.5,-63.5 1548.9,-63.5 v2(1556.4,-71) ; v1(1084,904) 1096.5,916.5 1393.5,916.5 v2(1395,918) 1598.17,918 U4.70@1635.75,880.42 ; U8.6@1406.33,260 1410.33,256 v2(1555,256) ; U4.70@1635.17,879.83 U4.70@1636,879
  Bottom Layer w6: PA-4.D6@-60,2000 -48.38,2000 36.5,1915.12 36.5,1911.88 91.38,1857 574.41,1857 594.91,1836.5 615.12,1836.5 636.5,1815.12 636.5,1763 751.5,1648 751.5,1566.29 909.79,1408 926.76,1408 1003,1331.76 1003,1323.79 1012.47,1314.32 1012.65,1314.32 1079.5,1247.47 1079.5,987.82 1086,981.32 1086,962.68 1079.5,956.18 1079.5,908.5 v1(1084,904) ; v2(1395,918) 1405.5,907.5 1405.5,884.32 1407.5,882.32 1407.5,863.68 1404.89,861.07 1404.89,748.68 1433.4,720.17 1433.4,687.8 1555.5,565.71 1555.5,256.5 v2(1555,256) 1553,254 1553,57.82 1561.5,49.32 1561.5,30.68 1553,22.18 1553,-13.18 1563.5,-23.68 1563.5,-42.32 1553,-52.82 v2@1553,-71